# Allegro board RK3588S_Template_LP5D315P232SD10H2_42x42_2750MHz_1R2_V10_20220413YWQ.brd (continued)
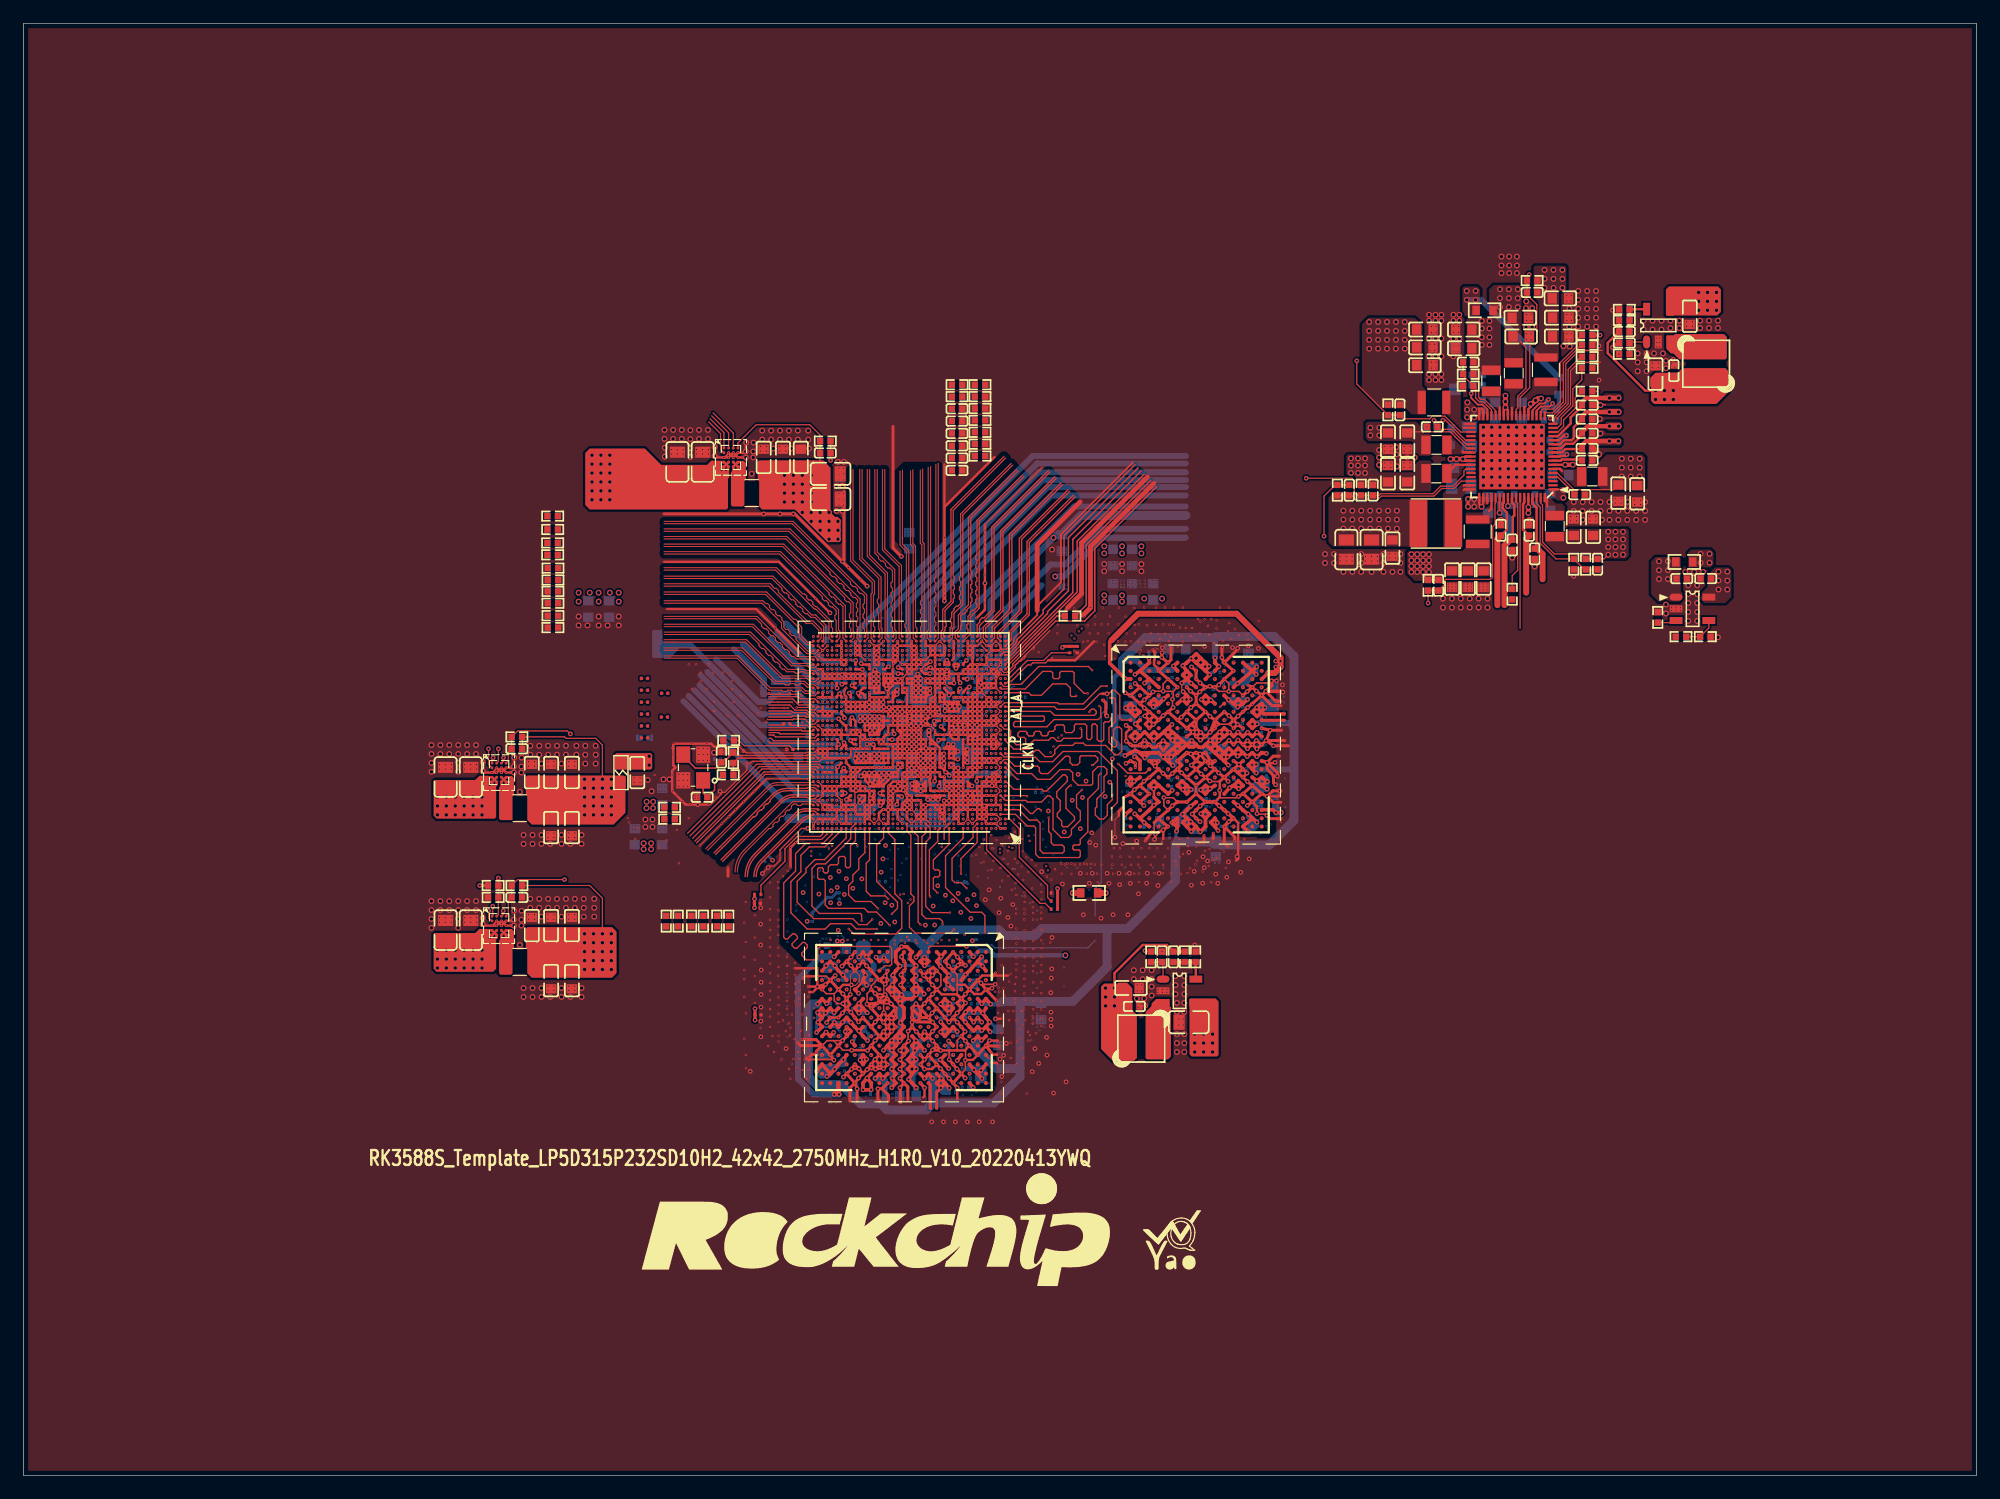
[diagram p0: board, top side]
## Routing (per net, layer and track width the routed paths; a pad name or vN(x,y) marks a point on that pad's centre or on a via; arc(x,y) is an arc through that point) (continued)
  TOP w0.203: v7(74.29,70.1) 74.64,70.1 v7(74.69,70.15) ; v7(74.29,70.1) v3(74.29,69.7) ; v7(74.29,70.1) v7(74.29,70.5) ; v3(80.29,58.9) v3(80.29,59.3) ; v3(80.29,58.9) v3(79.89,58.9) ; v3(80.29,58.9) v3(80.29,58.5) ; v3(80.29,59.3) v3(80.29,59.7) ; v3(80.29,59.3) v3(79.89,59.3) ; v3(77.89,68.9) v3(77.89,69.3) v7(77.89,69.7) v3(77.89,70.1) ; v3(77.89,68.9) v3(78.29,68.9) ; v3(77.89,68.9) 77.64,68.9 v1(77.5,69.04) 77.32,69.04 77.18,68.9 v3(77.09,68.9) ; v3(77.89,68.9) v3(77.89,68.5) ; v7(68.29,65.3) v7(67.89,65.3) ; v7(68.29,65.3) v7(68.29,64.9) v7(68.69,64.9) ; v7(68.29,65.3) v3(68.29,65.7) ; v7(68.29,65.3) v7(68.69,65.3) ; v7(77.49,59.7) 77.49,59.56 77.44,59.5 77.44,59.22 77.49,59.16 v3(77.49,58.9) 77.49,58.52 77.52,58.5 v3(77.89,58.5) v3(78.29,58.5) v3(78.69,58.5) ; v7(77.49,59.7) v3(77.49,60.1) ; v7(77.49,59.7) v7(77.09,59.7) ; v3(81.89,56.1) v7(81.49,56.1) v3(81.49,56.5) ; v3(81.89,56.1) 82.16,56.1 82.23,56.16 ; v3(81.89,56.1) v3(81.89,56.5) v3(81.89,56.9) v3(81.89,57.7) ; v7(82.69,60.9) v3(81.09,60.9) ; v7(82.69,60.9) v7(83.09,60.9) v7(83.09,61.3) ; v7(82.69,60.9) v7(82.69,61.3) ; v3(81.09,60.9) v3(81.09,60.5) ; v3(81.09,60.9) 81.09,61.26 ; 79.78,41.1 79.75,41.12 78.45,41.12 v3(78.04,41.54) ; v3(81.09,65.7) 80.7,65.7 v3(80.69,65.71) ; v3(81.09,65.7) v7(81.09,66.1) ; v3(81.09,65.7) v3(81.09,65.3) ; v3(81.09,65.7) v3(81.49,65.7) ; v1(72.12,36.33) 72.1,36.35 70.81,36.35 70.79,36.32 70.79,36.36 70.78,36.36 70.78,36.35 v1(70.77,36.35) ; v3(75.09,57.3) 75.09,57.41 75.38,57.7 v3(75.49,57.7) ; v3(75.09,57.3) 75.51,57.3 v1(75.51,57.3) 75.52,57.3 v3(75.89,57.3) ; v3(75.09,57.3) v3(75.09,56.9) ; U1000.D4 v7(83.09,56.5) ; U1000.N9 v3(80.69,59.7) ; U1000.N9 v3(81.09,60.1) ; U1000.N9 v3(80.34,60.1) ; U1000.N9 v7(80.69,60.5) v3(81.09,60.5) ; v3(80.69,59.7) v3(81.09,59.7) v3(81.09,60.1) ; v3(80.69,59.7) v3(80.29,59.7) ; v3(74.69,65.7) 74.69,65.29 v1(74.68,65.28) ; v3(74.69,65.7) v3(75.09,65.7) ; v3(74.69,65.7) v3(74.29,65.7) ; v7(76.29,64.5) v3(76.29,64.9) ; v7(76.29,64.5) 76.26,64.46 v1(76.26,64.05) ; v7(76.29,64.5) v7(76.69,64.5) ; v7(76.29,64.5) 75.78,64.5 v1(75.74,64.47) ; v3(76.29,64.9) U1000.AE19 ; v3(76.29,64.9) v7(76.29,65.3) ; v3(76.29,64.9) 75.72,64.9 v1(75.72,64.9) 75.71,64.9 U1000.AE22 ; v1(74.68,65.28) 74.69,65.26 v3(74.69,64.9) ; v1(74.68,65.28) 75.06,65.28 v1(75.08,65.25) ; v1(74.68,65.28) 74.65,65.3 v1(74.27,65.3) ; v7(76.69,63.3) v7(76.69,62.9) ; v7(76.69,63.3) v1(76.29,63.3) ; v7(76.69,63.3) v3(76.69,63.7) ; v7(76.69,62.9) v7(77.09,62.9) v3(77.09,62.5) ; v7(76.69,62.9) v3(76.69,62.5) ; v7(76.69,62.9) v1(76.29,62.9) ; v7(69.89,71.3) v7(69.89,70.9) ; v7(69.89,70.9) v7(69.49,70.9) ; v7(69.89,70.9) v7(69.89,70.5) v3(69.89,70.1) v7(69.89,69.7) ; v3(71.89,56.9) v3(71.89,57.3) v7(72.26,57.3) 72.29,57.3 ; v3(71.89,56.9) v3(72.29,56.9) ; v3(71.89,56.9) v7(71.89,56.5) ; v7(68.69,63.3) v7(68.69,63.7) ; v7(68.69,63.3) v7(69.09,63.3) ; v7(68.69,63.3) v7(68.29,63.3) v7(68.29,63.7) v7(68.69,63.7) ; v7(68.69,63.7) v7(69.09,63.7) ; v7(74.69,59.3) 74.69,58.96 ; v7(74.69,59.3) 74.29,59.3 v7(73.89,58.9) ; v7(74.69,59.3) v3(75.09,59.3) ; 74.69,58.96 v1(74.73,58.93) 74.75,58.9 v7(75.09,58.9) ; 74.69,58.96 U1000.J24 ; v1(78.51,56.82) 78.43,56.9 v3(77.89,56.9) v3(77.89,57.3) ; v1(78.51,56.82) 78.69,56.64 ; v1(78.51,56.82) 78.29,56.6 ; v3(81.49,61.7) v3(81.09,61.7) ; v3(81.49,61.7) v3(81.49,61.3) ; v3(81.49,61.7) v7(81.49,62.1) ; v3(81.49,61.7) v3(81.89,61.7) ; v3(81.09,61.7) 81.09,61.26 ; v3(81.09,61.7) v7(81.09,62.5) ; v3(81.49,64.9) v3(80.69,64.9) ; v3(81.49,64.9) v3(81.49,65.3) ; v3(81.49,64.9) v7(81.89,64.9) ; v3(81.49,64.9) 81.49,64.18 ; v3(80.69,64.9) v3(80.29,64.9) ; v3(80.69,64.9) v3(80.69,64.5) ; v3(80.69,64.9) v3(80.69,65.3) ; 79.07,63.3 79.13,63.36 v3(79.13,63.7) ; 79.07,63.3 v3(79.49,63.3) ; 79.07,63.3 79.47,62.9 v3(79.89,62.9) v3(79.89,63.3) ; 79.07,63.3 v3(78.69,63.3) v3(78.29,63.3) v3(77.89,63.3) v3(77.89,63.7) ; v7(82.76,59.69) v4(82.76,60.06) v3(83.09,60.06) 83.09,59.72 83.07,59.7 ; v7(82.76,59.69) v7(82.76,59.31) 82.76,58.95 v1(82.76,58.95) ; v7(82.76,59.69) 82.3,59.69 v7(82.29,59.7) v3(82.29,59.3) ; v7(82.76,59.69) v7(83.06,59.69) ; v7(70.69,55.7) v7(70.29,55.7) ; v7(70.29,55.7) v7(69.89,55.7) ; v7(70.29,55.7) v7(70.29,56.1) 70.29,56.1 v3(70.29,56.48) 70.29,56.48 v7(70.29,56.9) ; 81.09,63.2 v1(80.91,63.01) ; 81.09,63.2 81.09,63.23 ; 81.09,63.2 v7(81.09,62.5) ; v1(80.91,63.01) 80.69,63.22 ; v1(80.91,63.01) 81.02,62.9 v3(81.89,62.9) ; v3(79.49,56.9) 79.5,56.9 v7(79.88,56.9) ; v3(71.49,58.9) v3(71.49,59.3) v3(71.09,59.3) ; v3(71.49,58.9) v3(71.09,58.9) ; v3(71.49,58.9) v3(71.89,58.9) 71.91,58.88 71.91,58.5 71.45,58.5 ; v3(71.49,58.9) 71.49,58.54 71.45,58.5 ; 81.09,61.26 81.13,61.3 v3(81.49,61.3) ; 75.49,60.88 75.51,60.9 v7(75.89,60.9) ; 75.49,60.88 v3(75.49,61.3) ; 75.49,60.88 75.49,60.5 ; v7(68.29,62.1) v7(67.89,62.1) v7(67.89,61.7) v7(68.29,61.7) ; v7(68.29,62.1) v7(68.29,61.7) ; v7(68.29,62.1) v7(68.69,62.1) ; v3(75.49,61.3) 75.49,61.3 v1(75.49,62.08) ; v3(75.49,61.3) v7(75.09,61.3) ; v3(75.49,61.3) v3(75.89,61.3) ; v7(83.49,56.9) v7(83.49,57.3) v7(83.09,57.3) ; v7(69.09,63.7) v3(69.49,63.7) ; v7(69.09,63.7) v7(69.09,63.3) ; v3(69.49,63.7) v7(69.89,63.7) 69.89,63.33 ; v3(69.49,63.7) v3(69.49,63.3) ; 73.09,70.21 v7(73.09,70.5) ; 73.09,70.21 v3(73.09,69.7) ; 73.09,70.21 v1(73.03,70.15) 72.98,70.1 v7(72.69,70.1) ; v7(73.09,70.5) v7(72.69,70.5) ; v7(73.09,70.5) v7(73.09,70.9) v7(72.69,70.9) v7(72.69,70.5) ; v7(79.89,56.1) v7(79.89,55.7) v7(80.29,55.7) ; v7(79.89,56.1) v7(79.89,56.5) ; v7(79.89,56.1) v7(79.49,56.1) 79.49,56.1 v3(79.49,60.5) ; v7(68.28,56.1) v3(68.69,56.1) v7(69.04,56.1) ; v7(68.28,56.1) 68.29,56.08 v3(68.29,55.7) ; v7(68.28,56.1) v3(67.89,56.1) ; 83.09,67.74 83.04,67.69 82.69,67.69 ; 83.09,67.74 v7(83.09,67.3) U1000.AL4 ; 83.09,67.74 v3(83.09,68.1) v7(83.09,68.5) ; v3(79.88,57.7) 79.88,58.09 v3(79.89,58.1) ; v3(79.88,57.7) v7(79.49,57.7) 79.45,57.66 v1(79.1,57.66) ; v3(79.88,57.7) v7(79.88,57.28) ; v3(79.88,57.7) v3(80.29,57.7) ; v3(75.89,69.3) v7(75.49,69.3) ; v3(75.89,69.3) v3(75.89,68.9) ; v3(75.89,69.3) v3(76.29,69.3) ; v3(75.89,69.3) v7(75.89,69.7) ; v7(75.49,69.3) v3(75.49,68.5) v3(75.89,68.5) v3(75.89,68.9) ; v7(75.49,69.3) v3(75.09,69.3) ; U1000.AL4 U1000.AM4 v3(82.29,67.7) ; U1000.AL4 v3(82.29,67.3) ; v3(78.69,57.3) v3(78.29,57.3) ; v3(78.69,57.3) 78.69,57.63 v1(78.66,57.66) v1(79.1,57.66) ; v3(78.69,57.3) v3(79.09,57.3) ; v3(78.69,57.3) 78.69,56.64 ; v3(78.29,57.3) v3(77.89,57.3) ; v3(78.29,57.3) 78.29,56.6 ; v7(77.49,60.5) v3(77.49,60.1) ; v7(77.49,60.5) v7(77.89,60.5) ; v7(77.49,60.5) v1(77.49,60.9) ; v7(77.49,60.5) v7(77.09,60.5) ; v3(77.49,60.1) v3(77.89,60.1) ; v3(77.49,60.1) v3(77.09,60.1) ; v1(79.6,64.16) v1(80.01,64.16) ; v1(79.6,64.16) 79.49,64.27 ; v1(79.6,64.16) 79.5,64.06 79.09,64.06 ; v1(80.01,64.16) 79.89,64.04 v3(79.89,63.7) ; v1(80.01,64.16) 80.37,64.16 ; v1(80.01,64.16) 79.89,64.28 v3(79.89,64.5) ; U1000.AH7 v3(81.49,65.7) ; U1000.AH7 U1000.AJ7 ; U1000.AH7 v3(81.86,66.1) ; U1000.AH7 v7(81.09,66.1) ; v3(81.49,65.7) v3(81.89,65.7) ; v3(81.49,65.7) v3(81.49,65.3) ; v3(80.29,68.5) v3(80.69,68.5) ; v3(80.29,68.5) v3(79.89,68.5) ; v3(80.29,68.5) 80.29,68.82 v7(80.37,68.9) v7(80.69,68.9) ; v3(80.69,68.5) v7(80.69,68.9) ; v3(80.69,68.5) v3(81.09,68.5) ; v3(74.69,61.3) v7(74.69,61.7) ; v3(74.69,61.3) v3(74.29,61.3) ; v3(74.69,61.3) v7(75.09,61.3) ; v7(74.69,61.7) v7(74.69,62.1) ; v7(74.69,61.7) v3(74.29,61.7) ; v7(74.69,61.7) v7(75.09,61.7) ; v3(79.49,63.7) 79.49,64.27 ; v3(79.49,63.7) v3(79.49,63.3) ; v3(79.49,63.7) 79.49,63.7 v3(79.13,63.7) ; v3(79.49,63.7) v3(79.89,63.7) ; 79.49,64.27 v3(79.49,64.5) ; v3(80.29,56.9) v3(80.29,57.3) ; v3(80.29,56.9) 80.29,56.9 v3(82.3,56.9) ; v3(80.29,56.9) 79.89,56.9 v7(79.88,56.9) ; v3(80.29,57.3) v3(80.69,57.3) ; v3(80.29,57.3) v3(80.29,57.7) ; v3(80.29,57.3) 79.91,57.3 v7(79.88,57.28) ; 71.45,58.5 71.19,58.5 v1(71.15,58.53) ; v3(80.69,71.3) v7(80.69,70.9) ; v7(80.69,70.9) v7(80.69,70.5) ; v7(80.69,70.9) v7(81.09,70.9) ; 69.93,56.9 v7(69.89,56.9) v3(69.49,56.9) ; 69.93,56.9 69.89,56.93 v3(69.89,57.3) ; 69.93,56.9 v7(70.29,56.9) ; v3(72.29,56.9) 72.29,57.3 ; v3(72.29,56.9) v7(72.29,56.5) ; 72.29,57.3 v3(72.69,57.3) v3(72.69,57.7) ; 72.29,57.3 72.29,57.79 v1(72.38,57.88) ; v3(79.89,63.3) v3(79.49,63.3) ; v3(79.89,63.3) v3(79.89,63.7) ; v3(79.89,63.3) v3(80.29,63.3) ; 69.93,63.3 v3(69.49,63.3) ; 69.93,63.3 69.89,63.33 ; 69.93,63.3 v7(70.69,63.3) ; v3(69.49,63.3) v7(69.09,63.3) ; v3(75.09,59.3) v3(75.49,59.3) ; v3(75.09,59.3) v7(75.09,59.7) ; v3(75.09,59.3) v7(75.09,58.9) ; v3(75.49,59.3) v7(75.49,58.9) ; v3(75.49,59.3) v7(75.49,59.7) ; v1(76.66,61.26) 76.62,61.3 v3(76.29,61.3) ; v1(76.66,61.26) 76.69,61.3 v3(77.09,61.3) ; v1(76.66,61.26) v1(76.66,60.86) ; v1(76.66,61.26) v1(76.66,61.67) 76.69,61.71 U1000.V19 ; v7(68.69,62.1) v7(68.69,61.7) ; v7(68.69,62.1) v7(69.09,62.1) ; v7(68.69,61.7) v7(68.69,61.3) ; v7(68.69,61.7) v7(68.29,61.7) ; v1(80.04,67.74) 80.04,67.82 79.89,67.96 v3(79.89,68.1) v3(79.89,68.5) ; v1(76.3,60.45) 76.64,60.45 v7(76.69,60.5) ; v1(76.3,60.45) 76.3,60.15 76.35,60.1 ; v1(76.3,60.45) 76.29,60.46 v3(76.29,60.9) ; v1(76.3,60.45) v1(75.9,60.45) ; v7(73.49,65.3) v7(73.09,65.3) ; v7(73.49,65.3) v3(73.49,66.5) ; v7(73.49,65.3) v7(73.89,65.3) ; v7(73.09,65.3) v7(73.09,65.7) ; v7(73.09,65.3) v7(72.69,65.3) ; 67.13,41.3 67.15,41.32 v3(67.46,41.32) 67.83,41.69 v1(67.83,41.78) ; v3(70.14,67.07) 70.14,67.14 v3(70.29,67.3) ; v3(71.09,58.9) 71.09,58.59 v1(71.15,58.53) ; v3(71.09,58.9) v3(71.09,59.3) ; v3(71.09,58.9) v3(70.69,58.9) ; v3(79.89,58.1) v1(79.89,58.5) ; v3(79.89,58.1) v3(79.49,58.1) 79.11,58.1 79.1,58.09 ; v3(79.89,58.1) v3(81.89,58.1) v3(82.29,58.1) v7(82.69,58.1) v7(83.09,58.1) v7(83.09,57.7) v7(83.09,57.3) ; v1(79.89,58.5) v3(79.89,58.9) ; v1(79.89,58.5) v3(79.49,58.5) 79.17,58.5 v1(79.13,58.54) ; v1(79.89,58.5) v3(80.29,58.5) ; v7(72.69,70.5) v7(72.69,70.1) ; v1(74.27,65.3) 74.27,64.92 v3(74.29,64.9) ; v1(74.27,65.3) 74.27,65.3 v7(73.89,65.3) ; v1(74.27,65.3) 74.29,65.33 v3(74.29,65.7) ; v3(81.09,63.7) 81.09,64.19 ; v3(81.09,63.7) v3(80.69,63.7) ; v3(81.09,63.7) v3(81.09,63.3) ; v3(81.09,63.7) v3(81.49,63.7) ; 81.09,64.19 v1(81.06,64.15) ; 81.09,64.19 v3(81.09,64.5) ; 103.76,52.7 103.78,52.73 103.78,55.77 U3900.AA12 ; v7(74.69,62.1) v7(75.09,62.1) ; v7(74.69,62.1) v3(74.69,62.5) ; v7(74.69,62.1) v7(74.29,62.1) ; v3(79.09,58.9) v3(79.49,58.9) v3(79.89,58.9) ; v3(79.09,58.9) v3(79.09,59.3) ; v3(79.09,58.9) v3(78.69,58.9) ; v3(79.09,58.9) 79.09,58.58 v1(79.13,58.54) ; v3(75.89,71.3) v7(75.89,70.9) ; v7(75.89,70.9) v7(75.89,70.5) ; v7(75.89,70.9) v7(76.29,70.9) v7(76.29,70.5) ; v7(75.89,70.9) v7(75.49,70.9) v7(75.09,70.9) v1(74.66,70.9) ; v3(76.29,60.9) v7(75.89,60.9) ; v3(76.29,60.9) 76.62,60.9 v1(76.66,60.86) ; v3(76.29,60.9) v3(76.29,61.3) ; v7(75.89,60.9) 75.89,60.46 v1(75.9,60.45) ; v7(75.89,60.9) v3(75.89,61.3) ; 73.48,62.5 v7(73.14,62.5) 73.09,62.54 v7(73.09,62.9) ; 73.48,62.5 v3(73.89,62.5) v3(74.69,62.5) ; 73.48,62.5 v7(73.49,62.51) v3(73.49,62.9) ; v7(76.69,60.5) v7(75.49,60.5) 75.49,60.5 ; v7(76.69,60.5) v7(77.09,60.5) ; v7(76.69,60.5) 76.66,60.53 v1(76.66,60.86) ; v7(76.69,60.5) 76.69,60.14 v3(76.71,60.12) ; v7(83.89,55.3) v7(83.49,55.3) ; v3(77.89,66.5) U1000.AK16 v7(77.89,67.3) ; v3(77.89,66.5) 77.7,66.5 77.62,66.42 v3(77.49,66.42) v3(77.49,66.1) ; v3(77.89,66.5) v3(77.89,66.1) ; 78.67,68.9 v3(79.06,68.9) 79.09,68.86 v3(79.09,68.1) v3(78.69,68.1) ; 78.67,68.9 v3(78.29,68.9) ; 78.67,68.9 v3(78.69,68.88) v3(78.69,68.1) ; v7(73.89,57.33) v3(73.89,56.5) v7(73.89,56.1) v7(73.89,55.7) v7(73.49,55.7) ; v7(73.89,57.33) v7(74.22,57.33) ; v7(73.89,57.33) 73.89,57.67 73.92,57.7 v3(74.29,57.7) ; v7(69.49,68.5) v7(69.09,68.5) ; v7(69.49,68.5) 70.02,68.5 ; v7(69.49,68.5) v3(69.49,68.1) ; v7(69.09,68.5) v7(69.09,68.1) ; v7(69.09,68.5) v7(68.69,68.5) ; v3(80.29,57.7) v3(80.29,58.5) ; v3(80.29,57.7) v3(80.69,57.7) ; v3(80.29,58.5) v3(80.69,58.5) ; v3(81.49,66.9) v3(81.89,66.9) v3(81.89,68.1) ; v3(81.49,66.9) 81.49,67.36 ; v3(81.49,66.9) v7(81.15,66.9) 81.09,66.84 v3(81.09,66.5) ; v3(81.49,66.9) U1000.AJ7 ; v3(82.29,59.3) U1000.L6 ; v3(82.29,59.3) U1000.L3 v7(83.49,59.3) ; v3(82.29,59.3) v7(82.29,58.94) 82.25,58.9 ; v7(68.69,61.3) v7(69.09,61.3) v7(69.49,61.3) v3(69.89,61.3) v3(70.29,61.3) v3(70.29,60.9) U1000.P34 ; v7(68.69,61.3) v7(68.29,61.3) v7(68.29,61.7) ; v3(69.89,59.3) v3(69.89,59.7) v3(70.29,59.7) ; v3(69.89,59.3) v3(70.29,59.3) ; v3(69.89,59.3) 69.89,58.93 v3(69.92,58.9) ; v1(75.49,62.08) 75.47,62.1 v7(75.09,62.1) ; v1(75.49,62.08) 75.49,62.08 v7(75.49,62.5) ; v1(75.49,62.08) v1(75.9,62.08) ; v7(83.09,62.91) 83.09,62.9 v3(82.69,62.9) ; v7(83.09,62.91) v3(83.09,63.3) v7(82.69,63.3) v3(82.69,62.9) ; v7(83.09,62.91) U1000.Y3 v7(83.09,62.1) 82.7,62.1 v7(82.69,62.09) v3(82.69,62.9) ; v7(69.09,58.5) v7(69.09,58.9) ; v7(69.09,58.5) 69.46,58.5 v3(69.49,58.47) ; v7(69.09,58.5) v7(68.29,58.5) ; v7(69.09,58.9) v7(68.69,58.9) ; v7(69.09,58.9) U1000.K37 ; v1(75.9,62.08) v1(76.3,62.08) ; v1(75.9,62.08) 75.89,62.07 v7(75.89,61.7) ; v1(75.9,62.08) 75.89,62.08 v1(75.89,62.5) ; v1(76.3,62.08) 76.67,62.08 U1000.V19 ; v1(76.3,62.08) 76.29,62.09 v1(76.29,62.5) ; v1(76.3,62.08) 76.3,61.71 U1000.U20 ; v3(70.69,68.1) v7(70.69,68.5) ; v3(70.69,68.1) v3(71.09,68.1) ; v3(70.69,68.1) v3(70.29,68.1) ; v7(70.69,68.5) v7(71.09,68.5) ; v7(70.69,68.5) v7(70.29,68.5) ; v3(81.49,68.1) 81.49,67.99 ; v3(81.49,68.1) v3(81.89,68.1) ; v3(81.49,68.1) v3(81.49,68.5) ; 81.49,67.99 81.71,67.77 v1(81.79,67.77) 81.86,67.7 v3(82.29,67.7) ; 81.49,67.99 81.49,67.36 ; v3(74.29,67.7) v3(74.29,68.1) ; v3(74.29,67.7) v3(75.09,67.7) ; v3(74.29,67.7) U1000.AM27 ; v3(74.29,67.7) 74.29,67.53 73.89,67.13 ; v3(74.29,67.7) 74.08,67.91 v1(73.9,67.91) 73.7,67.91 U1000.AM27 ; v3(74.29,68.1) v3(74.29,68.5) ; v3(74.29,68.1) 74.57,68.1 ; v3(74.29,68.1) 73.49,68.1 ; 75.49,60.5 v7(75.49,60.1) ; v3(81.89,62.9) v3(81.89,63.3) ; v3(81.89,62.9) v3(82.29,62.9) ; v3(81.89,62.9) v3(81.89,62.5) v7(81.89,62.1) ; v3(81.89,63.3) v3(81.49,63.3) ; v3(81.89,63.3) v3(81.89,63.7) ; v7(75.09,64.5) v7(75.09,64.1) ; v7(75.09,64.5) v7(75.09,64.9) ; v7(75.09,64.5) U1000.AD22 ; v7(75.09,64.5) v7(74.69,64.5) ; v7(75.09,64.1) v7(75.49,64.1) ; v7(75.09,64.1) v7(74.69,64.1) ; v7(75.09,64.1) v3(75.09,63.7) ; v4(87.56,69.66) 89.86,69.66 91.48,71.29 ; U1000.V19 v3(76.69,62.5) ; U1000.V19 77.09,62.1 v1(77.11,62.13) ; v3(79.89,64.5) v3(80.29,64.5) ; v3(79.89,64.5) v3(79.89,64.9) ; v3(79.89,64.5) v3(79.49,64.5) ; v3(80.29,64.5) 80.29,64.24 80.37,64.16 ; v3(80.29,64.5) v3(80.29,64.9) ; v3(80.29,64.5) v3(80.69,64.5) ; v3(80.29,64.9) v3(79.89,64.9) ; v3(80.29,64.9) v3(80.29,65.3) v3(80.69,65.3) ; v3(81.49,60.5) v3(81.89,60.5) v3(81.89,61.7) ; v3(81.49,60.5) v3(81.09,60.5) ; v3(81.49,60.5) v3(81.49,61.3) ; v3(81.49,60.5) v3(81.49,60.1) v3(81.09,60.1) ; v7(69.09,65.3) v7(69.09,64.9) v7(68.69,64.9) ; v7(69.09,65.3) v7(68.69,65.3) ; v7(69.09,65.3) v7(69.49,65.3) ; v1(78.21,65.22) 78.29,65.14 v3(78.29,64.9) ; v1(78.21,65.22) 78.29,65.3 v3(78.29,65.7) v3(77.89,65.7) ; v1(78.21,65.22) 78.13,65.3 v7(77.89,65.3) ; v1(77.06,60.88) 77.04,60.86 v1(76.66,60.86) ; v1(77.06,60.88) 77.48,60.88 v1(77.49,60.9) ; v1(77.06,60.88) 77.09,60.91 v3(77.09,61.3) ; v1(77.06,60.88) 77.09,60.86 v7(77.09,60.5) ; v7(66.37,70.28) v7(65.53,71.12) v7(64.26,72.39) 62.61,74.04 54.99,74.04 ; v3(69.93,68.12) 69.93,68.4 v1(69.95,68.43) 70.02,68.5 ; v3(75.49,58.1) v7(75.89,58.1) v3(75.89,57.7) ; v3(75.49,58.1) v3(75.49,58.5) ; v3(75.49,58.1) v3(75.49,57.7) ; v1(67.83,41.78) 67.06,41.78 v3(67.04,41.8) ; v1(67.83,41.78) 67.83,42.65 v3(67.82,42.66) ; v3(82.69,62.9) v3(82.29,62.9) ; 73.89,67.13 v3(73.89,66.9) v3(73.89,66.5) v3(73.49,66.5) ; 73.89,67.13 73.79,67.23 v1(73.77,67.23) 73.77,67.25 73.49,67.53 U1000.AM27 ; 73.89,67.13 73.89,68.47 73.86,68.5 ; v3(74.69,62.5) v7(75.09,62.5) ; v3(74.69,62.5) v3(74.69,62.9) ; v7(75.09,62.5) v7(75.09,62.9) ; v7(75.09,62.5) v7(75.09,62.1) ; v7(75.09,62.5) v7(75.49,62.5) ; v3(71.89,68.1) v3(71.89,68.5) v3(71.49,68.5) ; v3(71.89,68.1) v7(71.89,67.7) v7(71.49,67.7) v3(71.49,68.5) ; v3(71.89,68.1) v3(71.49,68.1) v3(71.09,68.1) ; v3(73.09,69.7) 73.1,69.69 v3(73.1,69.27) 72.73,69.27 v3(72.69,69.3) v7(72.69,69.7) ; v3(73.09,69.7) v7(72.69,69.7) ; v3(73.09,69.7) v3(74.29,69.7) ; v3(77.09,56.9) v7(76.69,56.9) ; v3(77.09,56.9) v1(77.09,57.28) ; v3(77.09,56.9) v7(77.09,56.5) ; v7(76.69,56.9) v3(76.69,57.3) ; v7(76.69,56.9) v7(76.69,56.5) ; v7(81.49,62.1) v7(81.89,62.1) ; v7(81.49,62.1) v3(81.49,62.5) ; v7(81.49,62.1) v3(81.09,62.1) ; v7(81.89,62.1) v3(81.89,61.7) ; v7(69.89,69.7) v3(69.6,69.7) v7(69.09,69.7) v7(68.69,69.7) v7(68.29,69.7) ; v7(69.89,69.7) v3(70.29,69.7) v7(70.29,69.3) v3(69.89,69.3) v7(69.89,69.7) ; v3(80.69,65.3) U1000.AH9 v7(80.69,66.15) ; v3(80.69,65.3) v3(81.09,65.3) ; v3(70.69,65.3) v3(70.69,65.7) ; v3(70.69,65.3) v3(70.29,65.3) v3(70.29,65.7) ; v3(70.69,65.3) v3(71.09,65.3) ; v3(70.69,65.7) v3(71.09,65.7) ; v3(70.69,65.7) v3(70.29,65.7) ; v3(70.69,65.7) 70.69,66.1 v7(70.69,66.1) ; v3(81.09,57.7) v3(80.69,57.7) ; v3(81.09,57.7) v3(81.09,58.5) ; v3(81.09,57.7) v3(81.09,57.3) ; v3(81.09,57.7) v3(81.89,57.7) ; v3(80.69,57.7) v3(80.69,58.5) ; v3(80.69,57.7) v3(80.69,57.3) ; v3(79.89,58.9) v3(79.89,59.3) ; 74.69,56.84 74.75,56.9 ; 74.69,56.84 v7(74.69,56.52) U1000.C24 ; 74.69,56.84 v7(74.69,56.9) ; 74.75,56.9 v3(74.29,56.9) ; 74.75,56.9 v3(75.09,56.9) ; v7(75.09,64.9) v3(74.69,64.9) ; v7(75.09,64.9) 75.08,64.91 v1(75.08,65.25) ; v7(75.09,64.9) U1000.AE22 ; v3(74.69,64.9) v7(74.69,64.5) ; v3(74.69,64.9) v3(74.29,64.9) ; U1000.AJ7 v3(81.09,66.5) ; v1(82.55,37.17) 83.23,37.17 83.24,37.15 ; 73.86,68.5 v3(73.49,68.5) 73.49,68.1 ; 73.86,68.5 v3(74.29,68.5) ; v3(79.49,60.5) 79.81,60.5 v1(79.86,60.45) 79.89,60.42 v3(79.89,60.1) ; v3(79.49,60.5) v3(79.49,60.9) v3(79.09,60.9) v3(79.09,60.5) v3(79.49,60.5) ; v3(75.49,58.5) U1000.J24 ; v3(75.49,58.5) v7(75.49,58.9) ; v3(77.09,62.5) 77.09,62.15 v1(77.11,62.13) ; v3(77.09,62.5) v3(76.69,62.5) ; v1(76.99,33.14) 76.99,32.43 76.89,32.33 ; 81.09,63.23 v3(81.09,63.3) ; 81.09,63.23 v1(81.33,62.99) 81.49,63.15 ; v7(70.69,63.3) 70.69,63.3 v7(70.69,63.7) v3(71.09,63.7) ; v7(70.69,63.3) 71.07,63.3 ; v3(79.09,57.3) 79.5,57.3 v7(79.5,57.3) 79.86,57.3 v7(79.88,57.28) ; v3(79.09,57.3) 79.1,57.3 v1(79.1,57.66) ; v7(71.09,70.9) v7(71.09,70.5) ; v7(71.09,70.9) v7(71.09,71.3) ; v7(71.09,70.9) v7(71.49,70.9) v7(71.49,70.5) ; v7(71.09,70.5) v7(71.49,70.5) ; v7(71.09,70.5) v7(71.09,70.1) v3(71.49,70.1) v7(71.49,70.5) ; v3(81.89,68.5) v3(81.49,68.5) ; v3(81.89,68.5) v3(81.89,68.1) ; v3(81.89,68.5) v7(82.29,68.5) 82.63,68.5 ; v3(81.49,68.5) 81.49,68.88 ; v3(81.49,68.5) v3(81.09,68.5) ; v7(73.09,65.7) 73.47,65.7 v1(73.51,65.66) ; v7(73.09,65.7) v3(73.09,66.1) ; v7(73.09,65.7) v7(72.69,65.7) ; 75.49,65.25 75.49,65.25 U1000.AE22 ; 75.49,65.25 75.49,65.26 ; 75.49,65.25 v1(75.08,65.25) ; v3(80.69,58.5) v3(81.09,58.5) ; v3(74.29,56.9) 73.92,56.9 v1(73.89,56.87) 73.86,56.9 v3(73.49,56.9) 73.41,56.9 73.09,56.58 v3(73.09,56.1) ; v3(74.29,56.9) 74.22,56.97 v7(74.22,57.33) ; v7(83.09,57.3) v7(82.69,57.3) 82.37,57.3 ; v7(82.69,64.1) v3(82.29,64.1) ; v7(82.69,64.1) v7(83.09,64.1) v7(83.09,64.5) ; v7(82.69,64.1) 82.69,64.5 v7(82.68,64.52) ; v3(82.29,64.1) v7(81.89,64.1) ; v3(82.29,64.1) v3(82.29,64.5) ; v3(70.29,65.7) v7(70.29,66.1) ; v3(81.09,60.5) v3(81.09,60.1) ; v1(96.64,54.36) 96.71,54.43 v1(96.71,54.82) ; v1(75.85,64.05) 75.8,64.1 v7(75.49,64.1) ; v1(75.85,64.05) 75.89,64.01 ; v1(75.85,64.05) 75.85,64.36 v1(75.74,64.47) ; v1(75.85,64.05) v1(76.26,64.05) ; v3(77.89,70.1) v7(78.29,70.1) v3(78.69,70.1) v7(78.69,70.5) v7(78.69,70.9) ; v3(77.89,70.1) v7(77.89,70.5) ; v3(77.89,70.1) 77.49,70.1 v7(77.49,70.5) ; v3(81.49,65.3) v3(81.09,65.3) ; v3(81.49,65.3) v3(81.89,65.3) ; v3(74.29,68.5) v3(74.29,68.9) ; v1(70.74,41.93) 70.03,41.93 v7(69.64,41.54) ; v3(76.29,63.7) v1(76.29,63.3) ; v3(76.29,63.7) v3(75.89,63.7) ; v3(76.29,63.7) v3(76.69,63.7) ; v3(76.29,63.7) 76.26,63.74 v1(76.26,64.05) ; v1(76.29,63.3) v1(76.29,62.9) ; v1(76.29,63.3) v1(75.89,63.3) ; v3(79.09,59.3) v3(79.49,59.3) v3(79.89,59.3) ; v3(79.09,59.3) v3(78.69,59.3) ;